# KiCad board fmc_memory_adapter.kicad_pcb (continued)
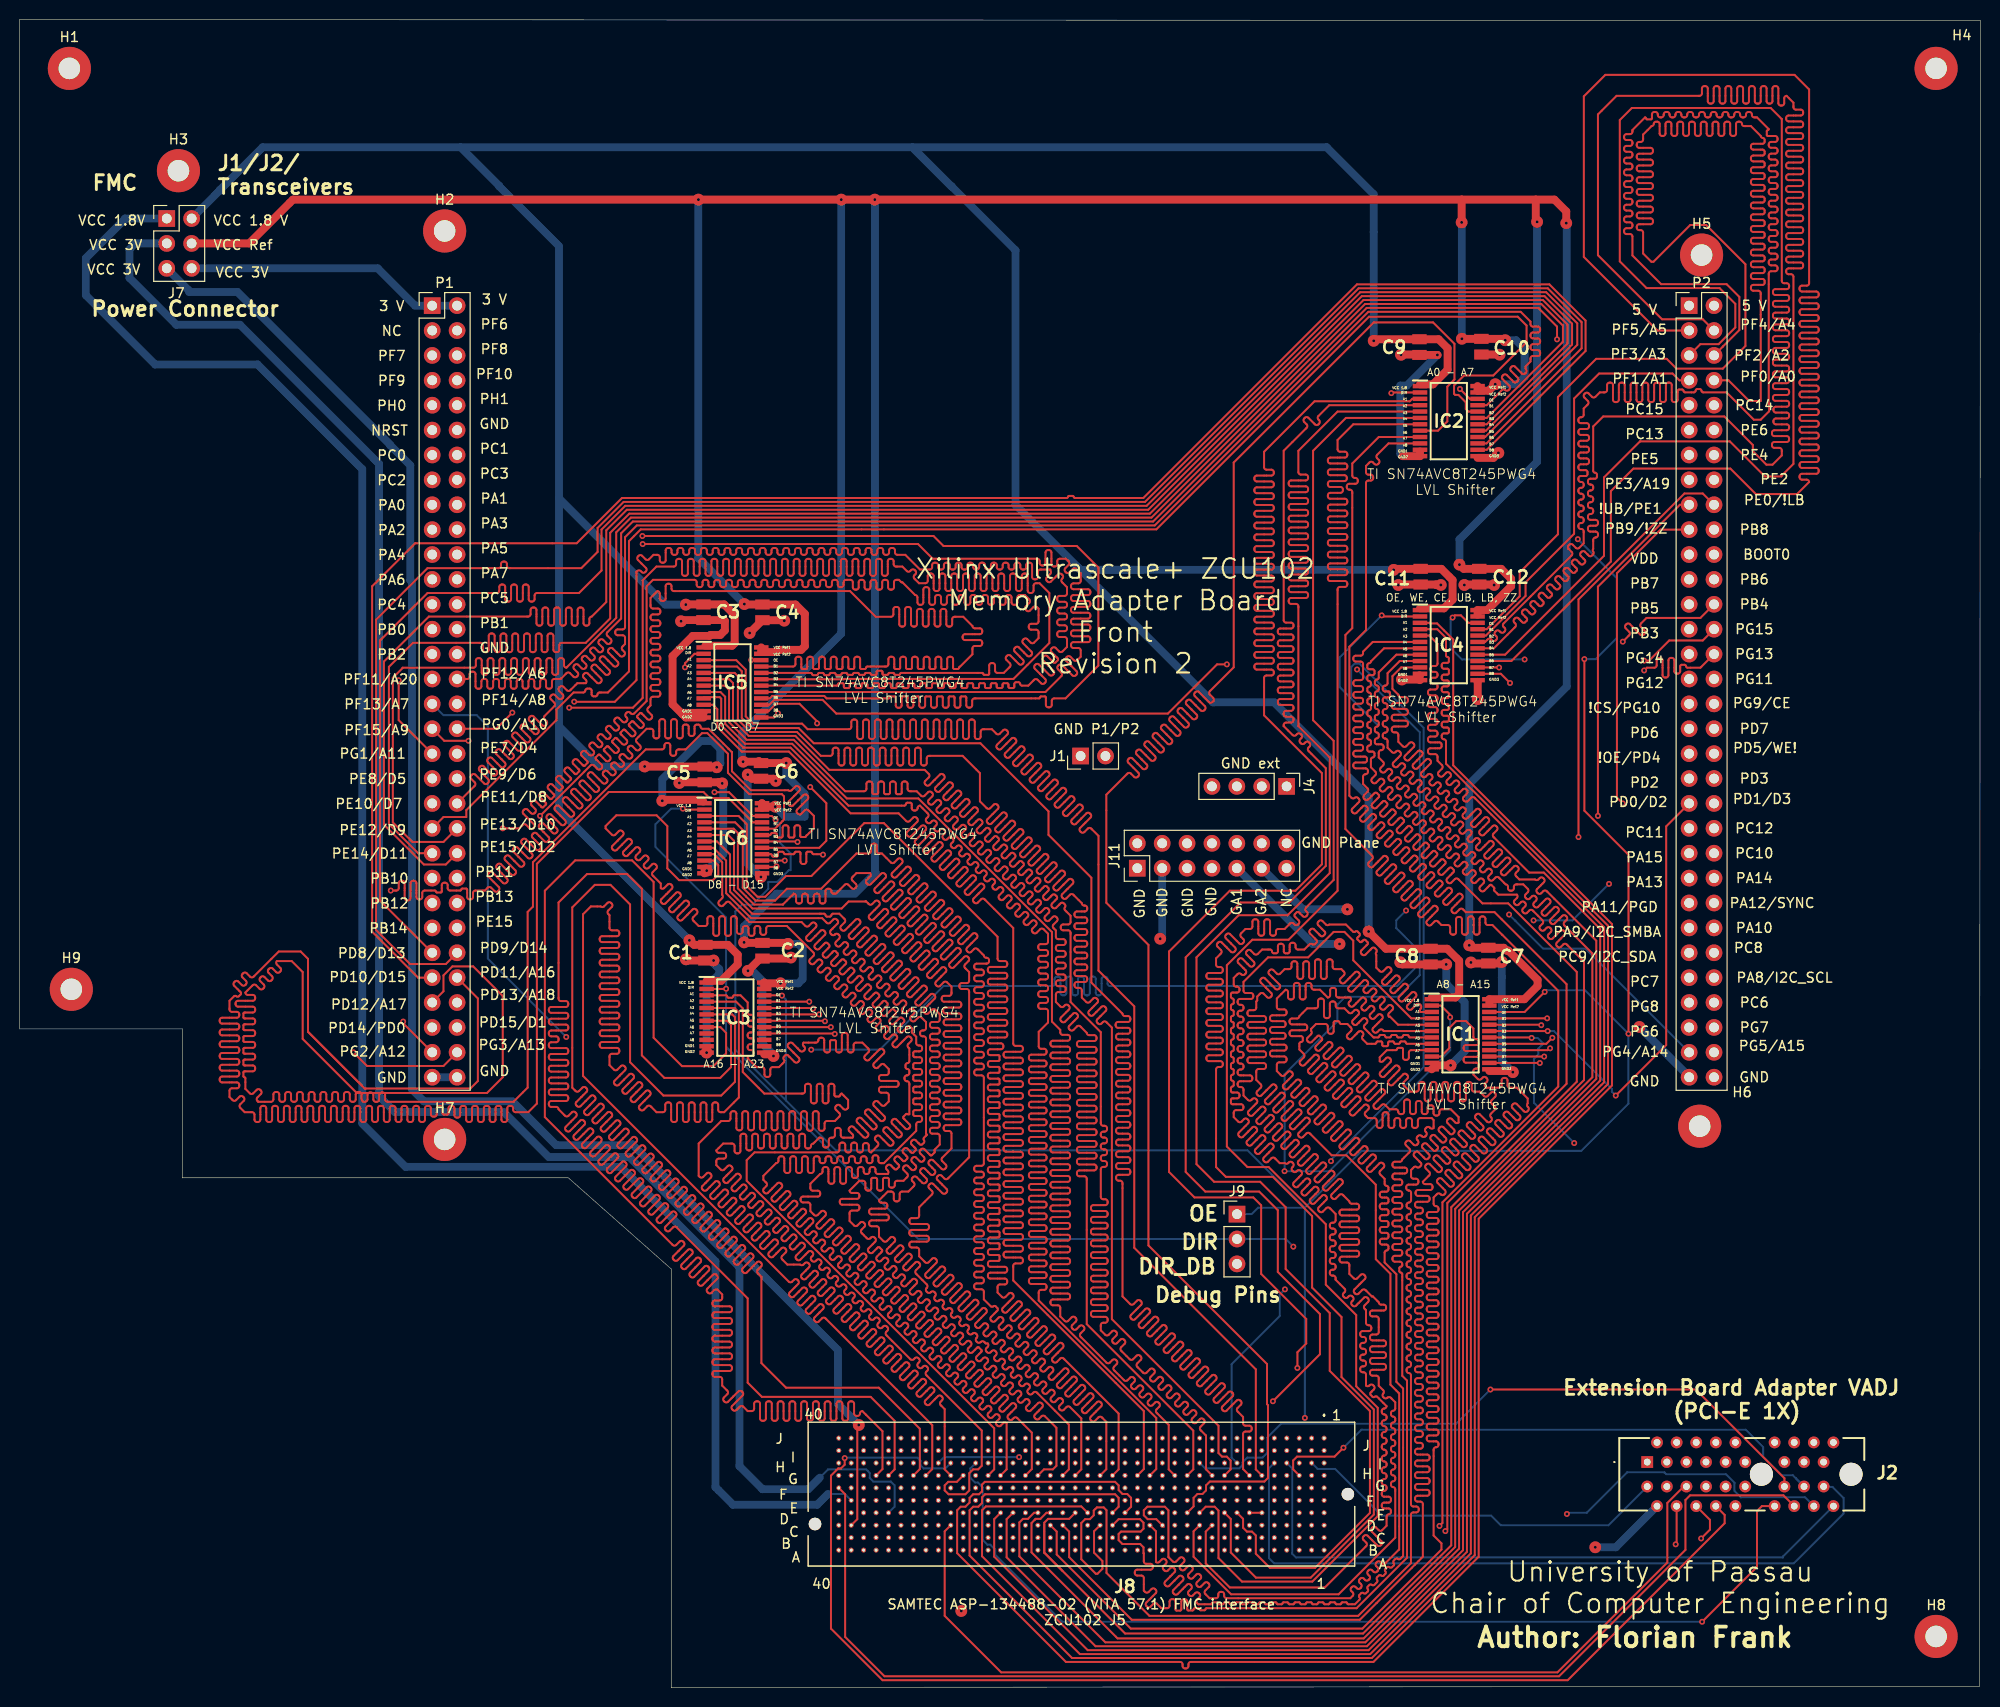
[diagram p0: board, top side]
## Routing (per net, layer and track width the routed paths; a pad name or vN(x,y) marks a point on that pad's centre or on a via; arc(x,y) is an arc through that point) (continued)
Net-(IC4-B2): length 41.9
  Top w0.2: P2.7 169.38,133.39 168.69,134.08 161.19,134.08 158.64,131.53 158.64,117.73 153.68,112.78 153.68,111.38 149.64,107.34 IC4.20
Net-(IC4-B3): length 200
  Top w0.2: IC4.19 149.55,106.69 149.82,106.96 arc(149.99,107.03) 150.16,106.96 150.28,106.84 arc(150.45,106.77) 150.62,106.84 150.71,106.92 arc(150.78,107.09) 150.71,107.26 150.59,107.38 arc(150.52,107.55) 150.59,107.72 150.67,107.81 arc(150.84,107.88) 151.01,107.81 151.13,107.69 arc(151.3,107.62) 151.47,107.69 151.56,107.77 arc(151.63,107.94) 151.56,108.11 151.44,108.23 arc(151.37,108.4) 151.44,108.57 158.31,115.44 158.39,115.53 arc(158.46,115.7) 158.39,115.87 158.07,116.19 arc(158,116.36) 158.07,116.53 158.15,116.62 arc(158.32,116.69) 158.49,116.62 158.82,116.29 arc(158.99,116.22) 159.16,116.29 159.62,116.75 159.62,117.98 arc(159.55,118.15) 159.38,118.22 159.31,118.22 arc(159.14,118.29) 159.07,118.46 159.07,118.58 arc(159.14,118.75) 159.31,118.82 159.38,118.82 arc(159.55,118.89) 159.62,119.06 159.62,119.18 arc(159.55,119.35) 159.38,119.42 159.31,119.42 arc(159.14,119.49) 159.07,119.66 159.07,119.78 arc(159.14,119.95) 159.31,120.02 159.38,120.02 arc(159.55,120.09) 159.62,120.26 159.62,120.38 arc(159.55,120.55) 159.38,120.62 159.31,120.62 arc(159.14,120.69) 159.07,120.86 159.07,120.98 arc(159.14,121.15) 159.31,121.22 159.38,121.22 arc(159.55,121.29) 159.62,121.46 159.62,121.58 arc(159.55,121.75) 159.38,121.82 159.31,121.82 arc(159.14,121.89) 159.07,122.06 159.07,122.18 arc(159.14,122.35) 159.31,122.42 159.38,122.42 arc(159.55,122.49) 159.62,122.66 159.62,122.78 arc(159.55,122.95) 159.38,123.02 159.31,123.02 arc(159.14,123.09) 159.07,123.26 159.07,123.38 arc(159.14,123.55) 159.31,123.62 159.81,123.62 arc(159.95,123.68) 160.01,123.81 160.01,124.02 arc(159.95,124.16) 159.81,124.22 159.31,124.22 arc(159.14,124.29) 159.07,124.46 159.07,124.58 arc(159.14,124.75) 159.31,124.82 159.92,124.82 arc(160.09,124.89) 160.16,125.06 160.16,125.18 arc(160.09,125.35) 159.92,125.42 159.31,125.42 arc(159.14,125.49) 159.07,125.66 159.07,125.78 arc(159.14,125.95) 159.31,126.02 159.92,126.02 arc(160.09,126.09) 160.16,126.26 160.16,126.38 arc(160.09,126.55) 159.92,126.62 159.31,126.62 arc(159.14,126.69) 159.07,126.86 159.07,126.98 arc(159.14,127.15) 159.31,127.22 159.92,127.22 arc(160.09,127.29) 160.16,127.46 160.16,127.58 arc(160.09,127.75) 159.92,127.82 159.31,127.82 arc(159.14,127.89) 159.07,128.06 159.07,128.18 arc(159.14,128.35) 159.31,128.42 159.92,128.42 arc(160.09,128.49) 160.16,128.66 160.16,128.78 arc(160.09,128.95) 159.92,129.02 159.31,129.02 arc(159.14,129.09) 159.07,129.26 159.07,129.38 arc(159.14,129.55) 159.31,129.62 159.38,129.62 arc(159.55,129.69) 159.62,129.86 159.62,130.51 160.04,130.94 arc(160.11,131.11) 160.04,131.28 159.68,131.64 arc(159.61,131.81) 159.68,131.98 159.77,132.06 arc(159.94,132.13) 160.11,132.06 160.47,131.7 arc(160.64,131.63) 160.81,131.7 161.27,132.16 161.76,132.16 arc(161.93,132.23) 162,132.4 162,132.91 arc(162.07,133.08) 162.24,133.15 162.36,133.15 arc(162.53,133.08) 162.6,132.91 162.6,131.41 arc(162.67,131.24) 162.84,131.17 162.96,131.17 arc(163.13,131.24) 163.2,131.41 163.2,132.91 arc(163.27,133.08) 163.44,133.15 163.56,133.15 arc(163.73,133.08) 163.8,132.91 163.8,131.41 arc(163.87,131.24) 164.04,131.17 164.16,131.17 arc(164.33,131.24) 164.4,131.41 164.4,132.91 arc(164.47,133.08) 164.64,133.15 164.76,133.15 arc(164.93,133.08) 165,132.91 165,131.41 arc(165.07,131.24) 165.24,131.17 165.36,131.17 arc(165.53,131.24) 165.6,131.41 165.6,132.91 arc(165.67,133.08) 165.84,133.15 165.96,133.15 arc(166.13,133.08) 166.2,132.91 166.2,131.41 arc(166.27,131.24) 166.44,131.17 166.56,131.17 arc(166.73,131.24) 166.8,131.41 166.8,132.91 arc(166.87,133.08) 167.04,133.15 167.16,133.15 arc(167.33,133.08) 167.4,132.91 167.4,131.41 arc(167.47,131.24) 167.64,131.17 167.76,131.17 arc(167.93,131.24) 168,131.41 168,132.91 arc(168.07,133.08) 168.24,133.15 168.36,133.15 arc(168.53,133.08) 168.6,132.91 168.6,131.41 arc(168.67,131.24) 168.84,131.17 168.96,131.17 arc(169.13,131.24) 169.2,131.41 169.2,132.3 arc(169.25,132.41) 169.35,132.45 169.67,132.45 arc(169.77,132.41) 169.81,132.3 arc(169.85,132.2) 169.95,132.16 170.87,132.16 arc(170.99,132.21) 171.04,132.33 arc(171.08,132.45) 171.2,132.5 171.47,132.5 arc(171.59,132.45) 171.64,132.33 arc(171.68,132.21) 171.8,132.16 174.19,132.16 176.98,129.37 177.68,129.37 178.54,130.23 178.54,130.9 178.5,130.94 178.5,144.28 arc(178.57,144.45) 178.74,144.52 179.16,144.52 arc(179.33,144.59) 179.4,144.76 179.4,144.88 arc(179.33,145.05) 179.16,145.12 178.74,145.12 arc(178.57,145.19) 178.5,145.36 178.5,145.48 arc(178.57,145.65) 178.74,145.72 179.16,145.72 arc(179.33,145.79) 179.4,145.96 179.4,146.08 arc(179.33,146.25) 179.16,146.32 178.74,146.32 arc(178.57,146.39) 178.5,146.56 178.5,146.68 arc(178.57,146.85) 178.74,146.92 179.16,146.92 arc(179.33,146.99) 179.4,147.16 179.4,147.28 arc(179.33,147.45) 179.16,147.52 178.74,147.52 arc(178.57,147.59) 178.5,147.76 178.5,147.88 arc(178.57,148.05) 178.74,148.12 179.16,148.12 arc(179.33,148.19) 179.4,148.36 179.4,148.48 arc(179.33,148.65) 179.16,148.72 178.74,148.72 arc(178.57,148.79) 178.5,148.96 178.5,149.08 arc(178.57,149.25) 178.74,149.32 179.16,149.32 arc(179.33,149.39) 179.4,149.56 179.4,149.68 arc(179.33,149.85) 179.16,149.92 178.74,149.92 arc(178.57,149.99) 178.5,150.16 178.5,150.28 arc(178.57,150.45) 178.74,150.52 179.16,150.52 arc(179.33,150.59) 179.4,150.76 179.4,150.88 arc(179.33,151.05) 179.16,151.12 178.74,151.12 arc(178.57,151.19) 178.5,151.36 178.5,151.48 arc(178.57,151.65) 178.74,151.72 179.16,151.72 arc(179.33,151.79) 179.4,151.96 179.4,152.08 arc(179.33,152.25) 179.16,152.32 178.74,152.32 arc(178.57,152.39) 178.5,152.56 178.5,152.68 arc(178.57,152.85) 178.74,152.92 179.16,152.92 arc(179.33,152.99) 179.4,153.16 179.4,153.28 arc(179.33,153.45) 179.16,153.52 178.74,153.52 arc(178.57,153.59) 178.5,153.76 178.5,153.88 arc(178.57,154.05) 178.74,154.12 179.16,154.12 arc(179.33,154.19) 179.4,154.36 179.4,154.48 arc(179.33,154.65) 179.16,154.72 178.74,154.72 arc(178.57,154.79) 178.5,154.96 178.5,155.08 arc(178.57,155.25) 178.74,155.32 179.16,155.32 arc(179.33,155.39) 179.4,155.56 179.4,155.68 arc(179.33,155.85) 179.16,155.92 178.74,155.92 arc(178.57,155.99) 178.5,156.16 178.5,156.28 arc(178.57,156.45) 178.74,156.52 179.16,156.52 arc(179.33,156.59) 179.4,156.76 179.4,156.88 arc(179.33,157.05) 179.16,157.12 178.74,157.12 arc(178.57,157.19) 178.5,157.36 178.5,157.48 arc(178.57,157.65) 178.74,157.72 179.16,157.72 arc(179.33,157.79) 179.4,157.96 179.4,158.08 arc(179.33,158.25) 179.16,158.32 178.4,158.32 arc(178.33,158.35) 178.3,158.42 178.3,158.82 arc(178.33,158.89) 178.4,158.92 arc(178.47,158.95) 178.5,159.02 177.3,160.22 177.02,160.22 arc(176.85,160.29) 176.78,160.46 176.78,160.53 arc(176.71,160.7) 176.54,160.77 176.42,160.77 arc(176.25,160.7) 176.18,160.53 176.18,160.46 arc(176.11,160.29) 175.94,160.22 175.82,160.22 arc(175.65,160.29) 175.58,160.46 175.58,160.53 arc(175.51,160.7) 175.34,160.77 175.22,160.77 arc(175.05,160.7) 174.98,160.53 174.98,160.46 arc(174.91,160.29) 174.74,160.22 174.62,160.22 arc(174.45,160.29) 174.38,160.46 174.38,160.53 arc(174.31,160.7) 174.14,160.77 174.02,160.77 arc(173.85,160.7) 173.78,160.53 173.78,160.46 arc(173.71,160.29) 173.54,160.22 173.42,160.22 arc(173.25,160.29) 173.18,160.46 173.18,160.53 arc(173.11,160.7) 172.94,160.77 172.82,160.77 arc(172.65,160.7) 172.58,160.53 172.58,160.46 arc(172.51,160.29) 172.34,160.22 172.22,160.22 arc(172.05,160.29) 171.98,160.46 171.98,160.53 arc(171.91,160.7) 171.74,160.77 171.62,160.77 arc(171.45,160.7) 171.38,160.53 171.38,160.46 arc(171.31,160.29) 171.14,160.22 171.02,160.22 arc(170.85,160.29) 170.78,160.46 170.78,160.53 arc(170.71,160.7) 170.54,160.77 170.42,160.77 arc(170.25,160.7) 170.18,160.53 170.18,160.46 arc(170.11,160.29) 169.94,160.22 169.82,160.22 arc(169.65,160.29) 169.58,160.46 169.58,160.53 arc(169.51,160.7) 169.34,160.77 169.22,160.77 arc(169.05,160.7) 168.98,160.53 168.98,160.46 arc(168.91,160.29) 168.74,160.22 168.62,160.22 arc(168.45,160.29) 168.38,160.46 168.38,160.53 arc(168.31,160.7) 168.14,160.77 168.02,160.77 arc(167.85,160.7) 167.78,160.53 167.78,160.46 arc(167.71,160.29) 167.54,160.22 167.42,160.22 arc(167.25,160.29) 167.18,160.46 167.18,160.53 arc(167.11,160.7) 166.94,160.77 166.82,160.77 arc(166.65,160.7) 166.58,160.53 166.58,160.12 arc(166.55,160.05) 166.48,160.02 166.08,160.02 arc(166.01,160.05) 165.98,160.12 arc(165.95,160.19) 165.88,160.22 164.59,158.93 164.59,158.75 arc(164.52,158.58) 164.35,158.51 163.98,158.51 arc(163.81,158.44) 163.74,158.27 163.74,158.15 arc(163.81,157.98) 163.98,157.91 164.35,157.91 arc(164.52,157.84) 164.59,157.67 164.59,157.55 arc(164.52,157.38) 164.35,157.31 163.98,157.31 arc(163.81,157.24) 163.74,157.07 163.74,156.95 arc(163.81,156.78) 163.98,156.71 164.35,156.71 arc(164.52,156.64) 164.59,156.47 164.59,156.35 arc(164.52,156.18) 164.35,156.11 163.98,156.11 arc(163.81,156.04) 163.74,155.87 163.74,155.75 arc(163.81,155.58) 163.98,155.51 164.35,155.51 arc(164.52,155.44) 164.59,155.27 164.59,155.15 arc(164.52,154.98) 164.35,154.91 163.98,154.91 arc(163.81,154.84) 163.74,154.67 163.74,154.55 arc(163.81,154.38) 163.98,154.31 164.35,154.31 arc(164.52,154.24) 164.59,154.07 164.59,153.95 arc(164.52,153.78) 164.35,153.71 163.98,153.71 arc(163.81,153.64) 163.74,153.47 163.74,153.35 arc(163.81,153.18) 163.98,153.11 164.35,153.11 arc(164.52,153.04) 164.59,152.87 164.59,152.75 arc(164.52,152.58) 164.35,152.51 163.98,152.51 arc(163.81,152.44) 163.74,152.27 163.74,152.15 arc(163.81,151.98) 163.98,151.91 164.35,151.91 arc(164.52,151.84) 164.59,151.67 164.59,151.55 arc(164.52,151.38) 164.35,151.31 163.98,151.31 arc(163.81,151.24) 163.74,151.07 163.74,150.95 arc(163.81,150.78) 163.98,150.71 164.35,150.71 arc(164.52,150.64) 164.59,150.47 164.59,150.35 arc(164.52,150.18) 164.35,150.11 163.98,150.11 arc(163.81,150.04) 163.74,149.87 163.74,149.75 arc(163.81,149.58) 163.98,149.51 164.35,149.51 arc(164.52,149.44) 164.59,149.27 164.59,149.15 arc(164.52,148.98) 164.35,148.91 163.98,148.91 arc(163.81,148.84) 163.74,148.67 163.74,148.55 arc(163.81,148.38) 163.98,148.31 164.35,148.31 arc(164.52,148.24) 164.59,148.07 164.59,146.13 167.52,143.2 174.2,143.2 175.5,141.9 175.5,138.52 173.82,136.84 173.82,136.83 P2.6
Net-(IC4-B4): length 200
  Top w0.2: IC4.18 150.45,106.04 152.64,108.23 arc(152.71,108.4) 152.64,108.57 152.53,108.68 arc(152.46,108.85) 152.53,109.02 152.61,109.11 arc(152.78,109.18) 152.95,109.11 153.37,108.69 arc(153.5,108.63) 153.64,108.69 153.79,108.85 arc(153.85,108.98) 153.79,109.12 153.38,109.53 arc(153.31,109.7) 153.38,109.87 153.46,109.95 arc(153.63,110.02) 153.8,109.95 154.22,109.54 arc(154.35,109.48) 154.49,109.54 154.64,109.69 arc(154.7,109.83) 154.64,109.96 154.23,110.38 arc(154.15,110.55) 154.23,110.72 154.31,110.8 arc(154.48,110.87) 154.65,110.8 155.06,110.39 arc(155.2,110.33) 155.33,110.39 155.49,110.54 arc(155.54,110.68) 155.49,110.81 155.07,111.23 arc(155,111.4) 155.07,111.57 155.16,111.65 arc(155.33,111.72) 155.5,111.65 155.91,111.24 arc(156.05,111.18) 156.18,111.24 156.34,111.39 arc(156.39,111.53) 156.34,111.66 155.92,112.08 arc(155.85,112.24) 155.92,112.41 156.01,112.5 arc(156.18,112.57) 156.35,112.5 156.76,112.08 arc(156.9,112.03) 157.03,112.08 157.19,112.24 arc(157.24,112.37) 157.19,112.51 156.77,112.92 arc(156.7,113.09) 156.77,113.26 156.86,113.35 arc(157.03,113.42) 157.2,113.35 157.61,112.93 arc(157.74,112.88) 157.88,112.93 158.03,113.09 arc(158.09,113.22) 158.03,113.36 157.62,113.77 arc(157.55,113.94) 157.62,114.11 157.7,114.2 arc(157.87,114.27) 158.04,114.2 158.46,113.78 arc(158.59,113.73) 158.73,113.78 158.88,113.94 arc(158.94,114.07) 158.88,114.21 158.47,114.62 arc(158.4,114.79) 158.47,114.96 158.55,115.05 arc(158.72,115.12) 158.89,115.05 159.31,114.63 arc(159.44,114.57) 159.58,114.63 159.73,114.78 arc(159.79,114.92) 159.73,115.05 159.32,115.47 arc(159.25,115.64) 159.32,115.81 159.4,115.89 arc(159.57,115.96) 159.74,115.89 160.15,115.48 arc(160.29,115.42) 160.42,115.48 160.59,115.64 arc(160.64,115.78) 160.59,115.91 arc(160.53,116.05) 160.59,116.18 160.59,117.11 arc(160.66,117.28) 160.83,117.35 160.83,117.35 arc(161,117.42) 161.07,117.59 161.07,117.71 arc(161,117.88) 160.83,117.95 160.29,117.95 arc(160.12,118.02) 160.05,118.19 160.05,118.31 arc(160.12,118.48) 160.29,118.55 160.83,118.55 arc(161,118.62) 161.07,118.79 161.07,118.91 arc(161,119.08) 160.83,119.15 160.29,119.15 arc(160.12,119.22) 160.05,119.39 160.05,119.51 arc(160.12,119.68) 160.29,119.75 160.35,119.75 arc(160.52,119.82) 160.59,119.99 160.59,120.11 arc(160.52,120.28) 160.35,120.35 160.29,120.35 arc(160.12,120.42) 160.05,120.59 160.05,120.71 arc(160.12,120.88) 160.29,120.95 160.35,120.95 arc(160.52,121.02) 160.59,121.19 160.59,121.31 arc(160.52,121.48) 160.35,121.55 160.29,121.55 arc(160.12,121.62) 160.05,121.79 160.05,121.91 arc(160.12,122.08) 160.29,122.15 160.35,122.15 arc(160.52,122.22) 160.59,122.39 160.59,122.51 arc(160.52,122.68) 160.35,122.75 160.29,122.75 arc(160.12,122.82) 160.05,122.99 160.05,123.11 arc(160.12,123.28) 160.29,123.35 160.78,123.35 arc(160.91,123.4) 160.96,123.54 160.96,123.77 arc(160.91,123.9) 160.78,123.96 arc(160.64,124.01) 160.59,124.15 160.59,128.68 161.61,129.7 173.97,129.7 176.88,126.79 176.88,126.16 178.26,124.78 178.89,124.78 179.83,125.72 179.83,126.25 arc(179.76,126.42) 179.59,126.49 179.07,126.49 arc(178.9,126.57) 178.83,126.73 178.83,126.85 arc(178.9,127.02) 179.07,127.09 180.34,127.09 arc(180.51,127.17) 180.58,127.33 180.58,127.45 arc(180.51,127.62) 180.34,127.69 179.07,127.69 arc(178.9,127.77) 178.83,127.93 178.83,128.05 arc(178.9,128.22) 179.07,128.29 180.34,128.29 arc(180.51,128.37) 180.58,128.53 180.58,128.65 arc(180.51,128.82) 180.34,128.89 179.22,128.89 arc(179.05,128.97) 178.98,129.13 178.98,129.25 arc(179.05,129.42) 179.22,129.49 180.34,129.49 arc(180.51,129.57) 180.58,129.73 180.58,129.85 arc(180.51,130.02) 180.34,130.09 179.22,130.09 arc(179.05,130.17) 178.98,130.33 178.98,130.45 arc(179.05,130.62) 179.22,130.69 180.34,130.69 arc(180.51,130.77) 180.58,130.93 180.58,131.05 arc(180.51,131.22) 180.34,131.29 179.17,131.29 arc(179,131.37) 178.93,131.53 178.93,131.65 arc(179,131.82) 179.17,131.89 180.34,131.89 arc(180.51,131.97) 180.58,132.13 180.58,132.25 arc(180.51,132.42) 180.34,132.49 179.17,132.49 arc(179,132.57) 178.93,132.73 178.93,132.85 arc(179,133.02) 179.17,133.09 180.34,133.09 arc(180.51,133.17) 180.58,133.33 180.58,133.45 arc(180.51,133.62) 180.34,133.69 179.17,133.69 arc(179,133.77) 178.93,133.93 178.93,134.05 arc(179,134.22) 179.17,134.29 180.34,134.29 arc(180.51,134.37) 180.58,134.53 180.58,134.65 arc(180.51,134.82) 180.34,134.89 179.17,134.89 arc(179,134.97) 178.93,135.13 178.93,135.25 arc(179,135.42) 179.17,135.49 180.34,135.49 arc(180.51,135.57) 180.58,135.73 180.58,135.85 arc(180.51,136.02) 180.34,136.09 179.17,136.09 arc(179,136.17) 178.93,136.33 178.93,136.45 arc(179,136.62) 179.17,136.69 180.34,136.69 arc(180.51,136.77) 180.58,136.93 180.58,137.05 arc(180.51,137.22) 180.34,137.29 179.17,137.29 arc(179,137.37) 178.93,137.53 178.93,137.65 arc(179,137.82) 179.17,137.89 180.34,137.89 arc(180.51,137.97) 180.58,138.13 180.58,138.25 arc(180.51,138.42) 180.34,138.49 179.17,138.49 arc(179,138.57) 178.93,138.73 178.93,138.85 arc(179,139.02) 179.17,139.09 180.34,139.09 arc(180.51,139.17) 180.58,139.33 180.58,139.45 arc(180.51,139.62) 180.34,139.69 179.17,139.69 arc(179,139.77) 178.93,139.93 178.93,140.05 arc(179,140.22) 179.17,140.29 180.34,140.29 arc(180.51,140.37) 180.58,140.53 180.58,140.65 arc(180.51,140.82) 180.34,140.89 179.17,140.89 arc(179,140.97) 178.93,141.13 178.93,141.25 arc(179,141.42) 179.17,141.49 180.34,141.49 arc(180.51,141.57) 180.58,141.73 180.58,141.85 arc(180.51,142.02) 180.34,142.09 179.17,142.09 arc(179,142.17) 178.93,142.33 178.93,142.45 arc(179,142.62) 179.17,142.69 180.34,142.69 arc(180.51,142.77) 180.58,142.93 180.58,143.05 arc(180.51,143.22) 180.34,143.29 180.07,143.29 arc(179.9,143.37) 179.83,143.53 179.83,160.06 179.82,160.06 178.7,161.18 164.53,161.18 163.3,159.95 163.3,145.53 166.03,142.8 173.48,142.8 175.09,141.19 175.09,138.78 173.39,137.08 171.53,137.08 P2.5
Net-(IC4-B5): length 200
  Top w0.2: IC4.17 151.6,105.39 161.69,115.48 161.69,123.48 165.39,127.18 165.41,127.16 174.53,127.16 178.11,123.58 179.79,123.58 179.79,123.63 181.02,124.86 181.02,143.97 arc(180.95,144.14) 180.78,144.21 180.52,144.21 arc(180.35,144.28) 180.28,144.45 180.28,144.57 arc(180.35,144.74) 180.52,144.81 181.77,144.81 arc(181.94,144.88) 182.01,145.05 182.01,145.17 arc(181.94,145.34) 181.77,145.41 180.52,145.41 arc(180.35,145.48) 180.28,145.65 180.28,145.77 arc(180.35,145.94) 180.52,146.01 181.77,146.01 arc(181.94,146.08) 182.01,146.25 182.01,146.37 arc(181.94,146.54) 181.77,146.61 180.52,146.61 arc(180.35,146.68) 180.28,146.85 180.28,146.97 arc(180.35,147.14) 180.52,147.21 181.77,147.21 arc(181.94,147.28) 182.01,147.45 182.01,147.57 arc(181.94,147.74) 181.77,147.81 180.52,147.81 arc(180.35,147.88) 180.28,148.05 180.28,148.17 arc(180.35,148.34) 180.52,148.41 181.77,148.41 arc(181.94,148.48) 182.01,148.65 182.01,148.77 arc(181.94,148.94) 181.77,149.01 180.52,149.01 arc(180.35,149.08) 180.28,149.25 180.28,149.37 arc(180.35,149.54) 180.52,149.61 181.77,149.61 arc(181.94,149.68) 182.01,149.85 182.01,149.97 arc(181.94,150.14) 181.77,150.21 180.52,150.21 arc(180.35,150.28) 180.28,150.45 180.28,150.57 arc(180.35,150.74) 180.52,150.81 181.77,150.81 arc(181.94,150.88) 182.01,151.05 182.01,151.17 arc(181.94,151.34) 181.77,151.41 180.52,151.41 arc(180.35,151.48) 180.28,151.65 180.28,151.77 arc(180.35,151.94) 180.52,152.01 181.77,152.01 arc(181.94,152.08) 182.01,152.25 182.01,152.37 arc(181.94,152.54) 181.77,152.61 180.52,152.61 arc(180.35,152.68) 180.28,152.85 180.28,152.97 arc(180.35,153.14) 180.52,153.21 181.77,153.21 arc(181.94,153.28) 182.01,153.45 182.01,153.57 arc(181.94,153.74) 181.77,153.81 180.52,153.81 arc(180.35,153.88) 180.28,154.05 180.28,154.17 arc(180.35,154.34) 180.52,154.41 181.77,154.41 arc(181.94,154.48) 182.01,154.65 182.01,154.77 arc(181.94,154.94) 181.77,155.01 180.52,155.01 arc(180.35,155.08) 180.28,155.25 180.28,155.37 arc(180.35,155.54) 180.52,155.61 181.77,155.61 arc(181.94,155.68) 182.01,155.85 182.01,155.97 arc(181.94,156.14) 181.77,156.21 180.52,156.21 arc(180.35,156.28) 180.28,156.45 180.28,156.57 arc(180.35,156.74) 180.52,156.81 181.77,156.81 arc(181.94,156.88) 182.01,157.05 182.01,157.17 arc(181.94,157.34) 181.77,157.41 180.52,157.41 arc(180.35,157.48) 180.28,157.65 180.28,157.77 arc(180.35,157.94) 180.52,158.01 181.77,158.01 arc(181.94,158.08) 182.01,158.25 182.01,158.37 arc(181.94,158.54) 181.77,158.61 180.52,158.61 arc(180.35,158.68) 180.28,158.85 180.28,158.97 arc(180.35,159.14) 180.52,159.21 181.77,159.21 arc(181.94,159.28) 182.01,159.45 182.01,159.57 arc(181.94,159.74) 181.77,159.81 180.52,159.81 arc(180.35,159.88) 180.28,160.05 180.28,160.17 arc(180.35,160.34) 180.52,160.41 181.77,160.41 arc(181.94,160.48) 182.01,160.65 182.01,160.77 arc(181.94,160.94) 181.77,161.01 181.26,161.01 arc(181.09,161.08) 181.02,161.25 181.02,161.72 180.32,162.42 arc(180.15,162.35) 180.08,162.18 180.08,161.67 arc(180.01,161.5) 179.84,161.43 179.72,161.43 arc(179.55,161.5) 179.48,161.67 179.48,163.17 arc(179.41,163.34) 179.24,163.41 179.12,163.41 arc(178.95,163.34) 178.88,163.17 178.88,161.87 arc(178.81,161.7) 178.64,161.63 178.52,161.63 arc(178.35,161.7) 178.28,161.87 178.28,163.17 arc(178.21,163.34) 178.04,163.41 177.92,163.41 arc(177.75,163.34) 177.68,163.17 177.68,161.87 arc(177.61,161.7) 177.44,161.63 177.32,161.63 arc(177.15,161.7) 177.08,161.87 177.08,163.17 arc(177.01,163.34) 176.84,163.41 176.72,163.41 arc(176.55,163.34) 176.48,163.17 176.48,161.87 arc(176.41,161.7) 176.24,161.63 176.12,161.63 arc(175.95,161.7) 175.88,161.87 175.88,163.17 arc(175.81,163.34) 175.64,163.41 175.52,163.41 arc(175.35,163.34) 175.28,163.17 175.28,161.87 arc(175.21,161.7) 175.04,161.63 174.92,161.63 arc(174.75,161.7) 174.68,161.87 174.68,163.17 arc(174.61,163.34) 174.44,163.41 174.32,163.41 arc(174.15,163.34) 174.08,163.17 174.08,161.87 arc(174.01,161.7) 173.84,161.63 173.72,161.63 arc(173.55,161.7) 173.48,161.87 173.48,163.17 arc(173.41,163.34) 173.24,163.41 173.12,163.41 arc(172.95,163.34) 172.88,163.17 172.88,161.87 arc(172.81,161.7) 172.64,161.63 172.52,161.63 arc(172.35,161.7) 172.28,161.87 172.28,163.17 arc(172.21,163.34) 172.04,163.41 171.92,163.41 arc(171.75,163.34) 171.68,163.17 171.68,162.66 arc(171.61,162.49) 171.44,162.42 162.97,162.42 161.07,160.52 161.07,146.16 167.61,139.62 171.77,139.62 P2.4
Net-(IC4-B6): length 200
  Top w0.2: P2.3 167.14,138.47 159.63,145.98 159.63,162.37 161.82,164.56 181.13,164.56 182.62,163.07 182.62,143.29 arc(182.55,143.12) 182.38,143.05 181.88,143.05 arc(181.71,142.98) 181.64,142.81 181.64,142.69 arc(181.71,142.52) 181.88,142.45 183.36,142.45 arc(183.53,142.38) 183.6,142.21 183.6,142.09 arc(183.53,141.92) 183.36,141.85 181.88,141.85 arc(181.71,141.78) 181.64,141.61 181.64,141.49 arc(181.71,141.32) 181.88,141.25 183.36,141.25 arc(183.53,141.18) 183.6,141.01 183.6,140.89 arc(183.53,140.72) 183.36,140.65 181.88,140.65 arc(181.71,140.58) 181.64,140.41 181.64,140.29 arc(181.71,140.12) 181.88,140.05 183.36,140.05 arc(183.53,139.98) 183.6,139.81 183.6,139.69 arc(183.53,139.52) 183.36,139.45 181.88,139.45 arc(181.71,139.38) 181.64,139.21 181.64,139.09 arc(181.71,138.92) 181.88,138.85 183.36,138.85 arc(183.53,138.78) 183.6,138.61 183.6,138.49 arc(183.53,138.32) 183.36,138.25 181.88,138.25 arc(181.71,138.18) 181.64,138.01 181.64,137.89 arc(181.71,137.72) 181.88,137.65 183.36,137.65 arc(183.53,137.58) 183.6,137.41 183.6,137.29 arc(183.53,137.12) 183.36,137.05 181.88,137.05 arc(181.71,136.98) 181.64,136.81 181.64,136.69 arc(181.71,136.52) 181.88,136.45 183.36,136.45 arc(183.53,136.38) 183.6,136.21 183.6,136.09 arc(183.53,135.92) 183.36,135.85 181.88,135.85 arc(181.71,135.78) 181.64,135.61 181.64,135.49 arc(181.71,135.32) 181.88,135.25 183.36,135.25 arc(183.53,135.18) 183.6,135.01 183.6,134.89 arc(183.53,134.72) 183.36,134.65 181.88,134.65 arc(181.71,134.58) 181.64,134.41 181.64,134.29 arc(181.71,134.12) 181.88,134.05 183.36,134.05 arc(183.53,133.98) 183.6,133.81 183.6,133.69 arc(183.53,133.52) 183.36,133.45 181.88,133.45 arc(181.71,133.38) 181.64,133.21 181.64,133.09 arc(181.71,132.92) 181.88,132.85 183.36,132.85 arc(183.53,132.78) 183.6,132.61 183.6,132.49 arc(183.53,132.32) 183.36,132.25 181.88,132.25 arc(181.71,132.18) 181.64,132.01 181.64,131.89 arc(181.71,131.72) 181.88,131.65 183.36,131.65 arc(183.53,131.58) 183.6,131.41 183.6,131.29 arc(183.53,131.12) 183.36,131.05 181.88,131.05 arc(181.71,130.98) 181.64,130.81 181.64,130.69 arc(181.71,130.52) 181.88,130.45 183.36,130.45 arc(183.53,130.38) 183.6,130.21 183.6,130.09 arc(183.53,129.92) 183.36,129.85 181.88,129.85 arc(181.71,129.78) 181.64,129.61 181.64,129.49 arc(181.71,129.32) 181.88,129.25 183.36,129.25 arc(183.53,129.18) 183.6,129.01 183.6,128.89 arc(183.53,128.72) 183.36,128.65 181.88,128.65 arc(181.71,128.58) 181.64,128.41 181.64,128.29 arc(181.71,128.12) 181.88,128.05 183.36,128.05 arc(183.53,127.98) 183.6,127.81 183.6,127.69 arc(183.53,127.52) 183.36,127.45 181.88,127.45 arc(181.71,127.38) 181.64,127.21 181.64,127.09 arc(181.71,126.92) 181.88,126.85 183.36,126.85 arc(183.53,126.78) 183.6,126.61 183.6,126.49 arc(183.53,126.32) 183.36,126.25 181.88,126.25 arc(181.71,126.18) 181.64,126.01 181.64,125.89 arc(181.71,125.72) 181.88,125.65 183.36,125.65 arc(183.53,125.58) 183.6,125.41 183.6,125.29 arc(183.53,125.12) 183.36,125.05 181.88,125.05 arc(181.71,124.98) 181.64,124.81 181.64,124.69 arc(181.71,124.52) 181.88,124.45 183.36,124.45 arc(183.53,124.38) 183.6,124.21 183.6,124.09 arc(183.53,123.92) 183.36,123.85 181.88,123.85 arc(181.71,123.78) 181.64,123.61 181.64,123.49 arc(181.71,123.32) 181.88,123.25 182.38,123.25 arc(182.55,123.18) 182.62,123.01 181.39,121.78 177.19,121.78 174.59,124.38 164.69,124.38 162.39,122.08 162.39,114.89 152.23,104.74 IC4.16
